# Altium PCB hava_kalitesi_olcumu.PcbDoc (continued)
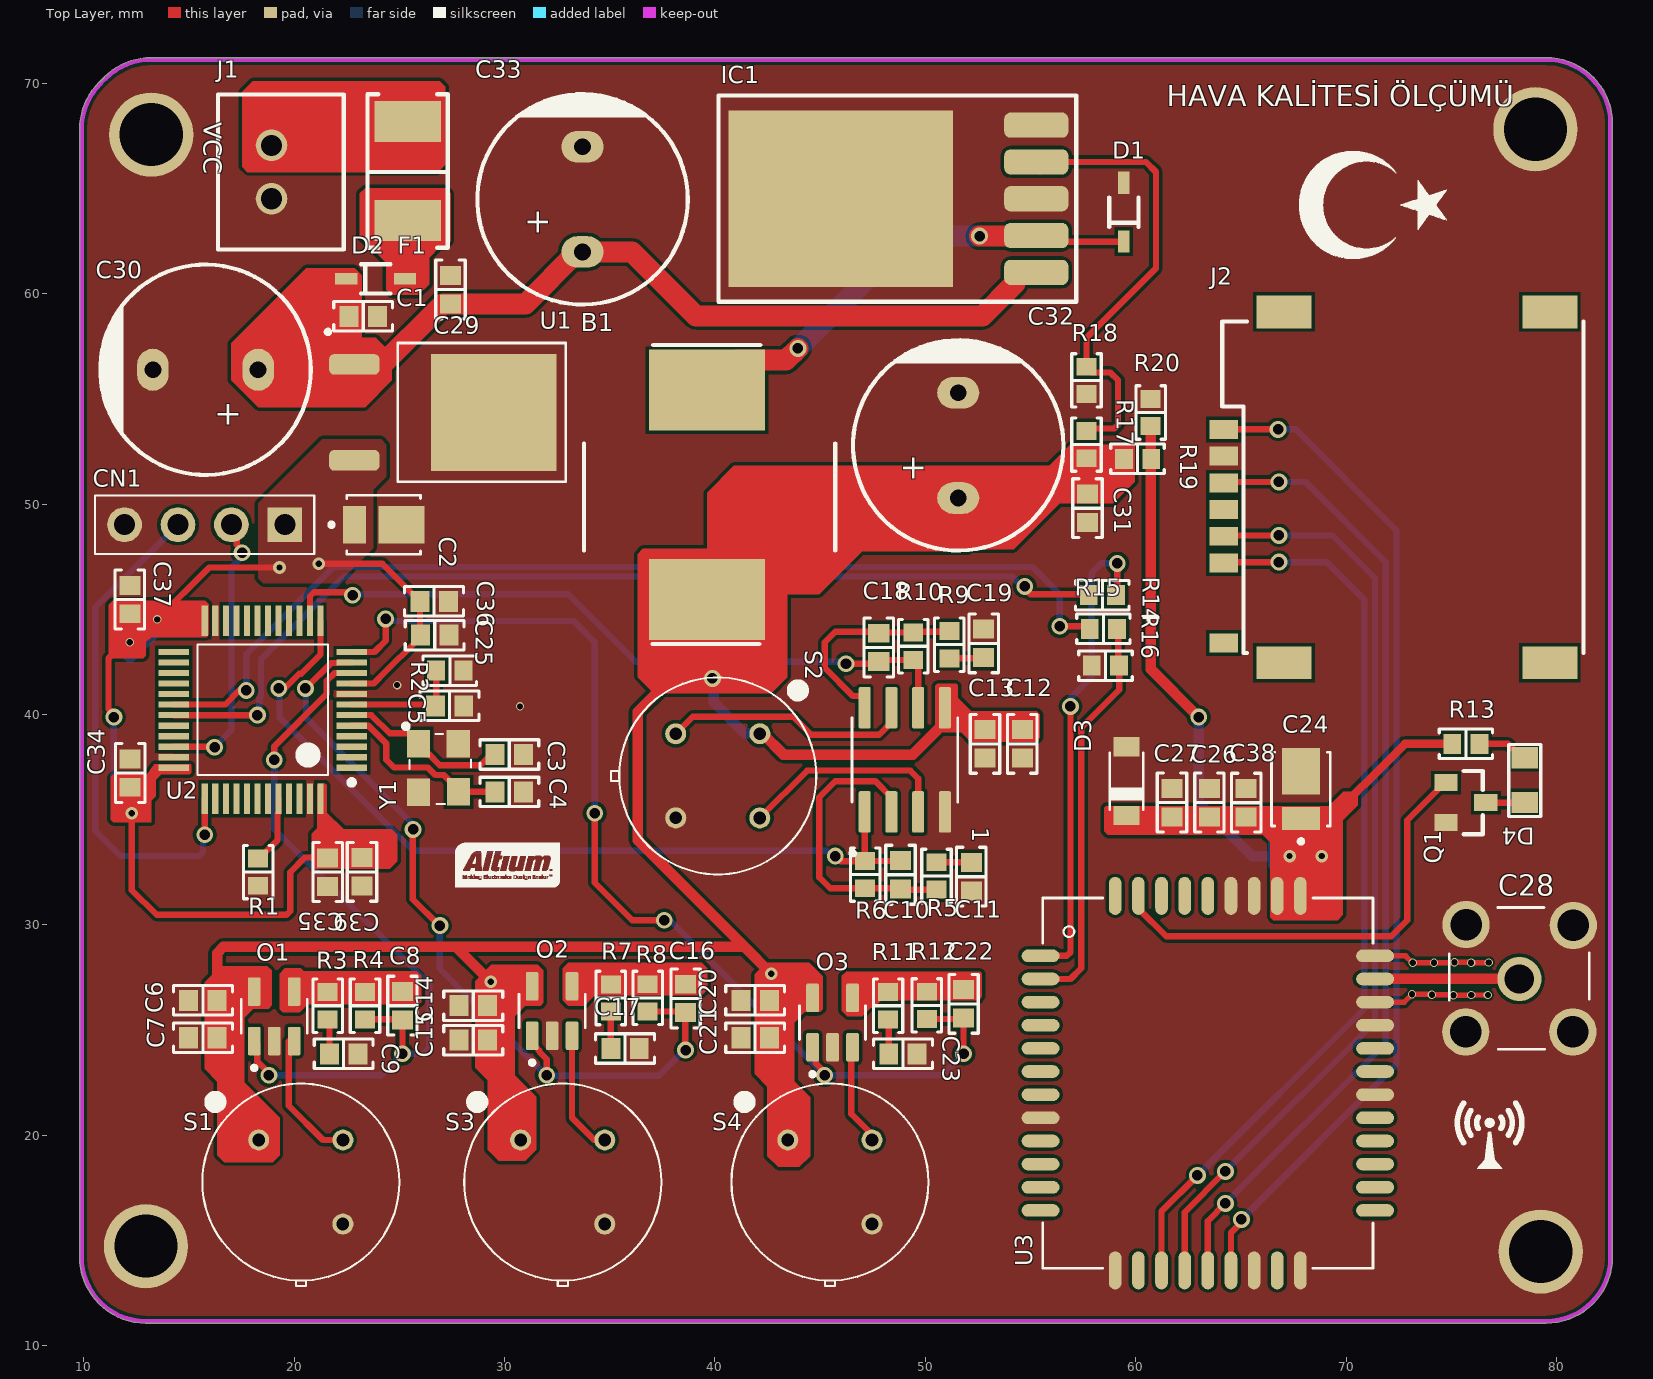
[diagram p0: Top Layer view]
## Part data (continued)
D3: "SOD123", Breakdown Voltage=5.88V, Case/Package=SMB, Forward Voltage=1.5V, Manufacturer="ON Semiconductor", Manufacturer Part Number=1SMB5919BT3G, Max Operating Temperature=150°C, Max Power Dissipation=3W, Max Reverse Current=5uA, Min Operating Temperature=-65°C, Package Quantity=1, Power Dissipation=550mW, Supplier Part Number 1=1SMB5919BT3GOSCT-ND, Test Current=66.9mA, Tolerance=5%, Voltage Rating (DC)=5.6V, Zener Current=267mA, Category="Zener Diodes", ComponentLink2Description=https://datasheet.ciiva.com/1182/1smb5913bt3-d-1182657.pdf?src-supplier=Element14, ComponentLink2URL=https://datasheet.ciiva.com/1182/1smb5913bt3-d-1182657.pdf?src-supplier=Element14, ComponentLink3Description=https://datasheet.ciiva.com/1182/1smb5913bt3-d-1182658.pdf?src-supplier=Element14, ComponentLink3URL=https://datasheet.ciiva.com/1182/1smb5913bt3-d-1182658.pdf?src-supplier=Element14, ComponentLink4Description=https://datasheet.ciiva.com/895/1smb5913bt3-d-895203.pdf?src-supplier=Digi-Key, ComponentLink4URL=https://datasheet.ciiva.com/895/1smb5913bt3-d-895203.pdf?src-supplier=Digi-Key, ComponentLink5Description=https://datasheet.ciiva.com/895/1smb5913bt3-d-895204.pdf?src-supplier=Digi-Key, ComponentLink5URL=https://datasheet.ciiva.com/895/1smb5913bt3-d-895204.pdf?src-supplier=Digi-Key, ComponentLink6Description=https://datasheet.ciiva.com/895/1smb5913bt3-d-895205.pdf?src-supplier=Digi-Key, ComponentLink6URL=https://datasheet.ciiva.com/895/1smb5913bt3-d-895205.pdf?src-supplier=Digi-Key, ComponentLink7Description=https://datasheet.ciiva.com/15198/getdatasheetpartid-311040-15198695.pdf?src-supplier=Verical, ComponentLink7URL=https://datasheet.ciiva.com/15198/getdatasheetpartid-311040-15198695.pdf?src-supplier=Verical, ComponentLink8Description=https://datasheet.ciiva.com/16311/1smb5913bt3-d-16311847.pdf?src-supplier=Future+Electronics, ComponentLink8URL=https://datasheet.ciiva.com/16311/1smb5913bt3-d-16311847.pdf?src-supplier=Future+Electronics, ComponentLink9Description=https://datasheet.ciiva.com/16472/1smb5913bt3-d-16472779.pdf?src-supplier=Avnet+Asia, ComponentLink9URL=https://datasheet.ciiva.com/16472/1smb5913bt3-d-16472779.pdf?src-supplier=Avnet+Asia, Contact Plating=Tin,Matte, Element Configuration=Single, ESD Protection=Yes, Halogen Free="Halogen Free", Height=2.13mm, Lead Free="Lead Free", Length=4.32mm, Material=Plastic, Max Reverse Leakage Current=5uA, Number of Pins=2, Packaging="Tape and Reel", Power Rating=3W, Pricing 1="1=0,45000, 10=0,31900, 100=0,16110, 500=0,14274, 1000=0,11109 (USD)", Radiation Hardening=No, REACH SVHC="No SVHC", RoHS=Yes, Supplier 1=Digi-Key, Voltage Tolerance=5%, Width=3.56mm, Zener Voltage=5.6V, Impedance=2R
D4: Current=20mA, Manufacturer="AVAGO Technologies", Manufacturer Code=HSMG-C170, Voltage=2.2V, Farnell Code=5790852, Unit Price="0,134 €"
F1: library part FUSE, "FUSE BRD MNT 125VAC/VDC", ComponentLink1Description=Direnc.net, ComponentLink1URL=https://www.direnc.net/1a-smd-sigorta, ComponentLink2Description=Motorobit, ComponentLink2URL=https://www.motorobit.com/urun/1a-1808-kilif-smd-sigorta, ComponentLink3Description=Datasheet, ComponentLink3URL=https://www.littelfuse.com/~/media/electronics/datasheets/fuses/littelfuse_fuse_452_454_datasheet.pdf.pdf, ComponentLink4Description=Step, ComponentLink4URL=https://www.3dcontentcentral.com.tr/secure/download-model.aspx?catalogid=171&id=343808, ComponentLink5Description=Özdisan, ComponentLink5URL=https://www.ozdisan.com/devre-koruyucular/sigorta-bilesenleri/sigortalar/0454001-NR
IC1: "Buck Converter"
J1: "2 PIN 2.54MM"
J2: library part SIM7100-6-1-15-00-A, "Memory Card Connectors Micro SIM Card Connector - Push-Push Type, 6 Pin, SMT, 1.50mm Profile", Package=None, Availability=Unavailable, ComponentLink1Description=Özdisan, ComponentLink1URL=https://ozdisan.com/konnektor-ve-baglanti-elemanlari/hafiza-konnektorleri/pc-kart-soketleri/L-KLS1-SIM-064-62P-H1, MF="Global Connector Technology", MP=SIM7100-6-1-15-00-A, Price=None, SnapEDA_Link=https://www.snapeda.com/parts/SIM7100-6-1-15-00-A/Global%20Connector%20Technology/view-part/449163/?ref=snap
O1 O2 O3: "Operational Amplifiers Op Amps SOT23-5 1 Channel 20 MHz", ComponentLink1Description=Mouser, ComponentLink1URL=https://www.mouser.com.tr/ProductDetail/STMicroelectronics/TSV991AILT?qs=NCG0bTVqH4ejiP6AM1B8jw%3D%3D
Q1: "Transistor General Purpose BJT NPN 40 Volt 0.2A Automotive 3-Pin SOT-23", Case/Package=SOT-23, Collector Base Voltage (VCBO)=60V, Collector Emitter Breakdown Voltage=40V, Collector Emitter Saturation Voltage=300mV, Continuous Collector Current=200mA, Emitter Base Voltage (VEBO)=6V, Frequency=300MHz, Manufacturer="Diodes Zetex", Max Operating Temperature=150°C, Max Power Dissipation=300mW, Min Operating Temperature=-55°C, Package Quantity=3000, Power Dissipation=350mW, Supplier Part Number 1=MMBT3904-FDIDKR-ND, Category=BJTs, Collector Emitter Voltage (VCEO)=40V, Collector-emitter Voltage-Max=300mV, ComponentLink1Description=https://datasheet.ciiva.com/11201/ds30036-11201778.pdf?src-supplier=Avnet, ComponentLink1URL=https://datasheet.ciiva.com/11201/ds30036-11201778.pdf?src-supplier=Avnet, ComponentLink2Description=https://datasheet.ciiva.com/15138/getdatasheetpartid-53265-15138780.pdf?src-supplier=Verical, ComponentLink2URL=https://datasheet.ciiva.com/15138/getdatasheetpartid-53265-15138780.pdf?src-supplier=Verical, ComponentLink3Description=https://datasheet.ciiva.com/6361/ds30036-6361254.pdf?src-supplier=Digi-Key, ComponentLink3URL=https://datasheet.ciiva.com/6361/ds30036-6361254.pdf?src-supplier=Digi-Key, ComponentLink4Description=https://datasheet.ciiva.com/22711/1915516-22711750.pdf?src-supplier=Element14, ComponentLink4URL=https://datasheet.ciiva.com/22711/1915516-22711750.pdf?src-supplier=Element14, ComponentLink5Description=https://datasheet.ciiva.com/11198/ds30036-11198999.pdf?src-supplier=Avnet, ComponentLink5URL=https://datasheet.ciiva.com/11198/ds30036-11198999.pdf?src-supplier=Avnet, ComponentLink6Description=https://datasheet.ciiva.com/6361/ds30036-6361256.pdf?src-supplier=Digi-Key, ComponentLink6URL=https://datasheet.ciiva.com/6361/ds30036-6361256.pdf?src-supplier=Digi-Key, Contact Plating=Tin,Matte, Designed by=BERK, Element Configuration=Single, Gain Bandwidth Product=300MHz, Height=1mm, hFE Min=100, Lead Free="Lead Free", Length=3.05mm, Manufacturer Part Number=MMBT3904-7-F, Max Breakdown Voltage=40V, Max Collector Current=200mA, Max Frequency=300MHz, Mount="Surface Mount", Number of Elements=1, Number of Pins=3, Packaging="Tape and Reel", Polarity=NPN, Pricing 1="1=0,12000, 10=0,08600, 25=0,08280, 100=0,04660, 500=0,03664, 1000=0,02544 (USD)", Radiation Hardening=No, REACH SVHC="No SVHC", RoHS=Yes, RoHS Compliant=Yes, Series=-, Stock 1=2393281, Supplier 1=Digi-Key, Transition Frequency=300MHz, Voltage Rating (DC)=40V, Weight=0.000282oz, Width=1.4mm
R1 R2 R3 R4 R5 R6 R7 R8 R9 R10 R11 R12 R13 R14 R15 R16 R17 R18 R19 R20: "SMT RES 1206"
S1 S3 S4: library part "QGC Circle Sensor", "GAS DETECTOR, ANALOG TO-39, GAS"
S2: library part "QGC Dual Sensor", "GAS DETECTOR, ANALOG TO-39, GAS"
U1: library part LD29150, "IC-29150 REG LDO 3V3 1.5A DPAK", ComponentLink1Description=Özdisan, ComponentLink1URL=https://ozdisan.com/entegre-devreler-ics/guc-entegreleri/lineer-voltaj-regulatorleri/LD29150DT33R
U2: "STM32F103C8T6 SMD LQFP-48 32-Bit 72 MHz Mikrodenetleyici", ComponentLink1Description=F1Depo, ComponentLink1URL=https://www.f1depo.com/urun/stm32f103c8t6-smd-lqfp-48-32-bit-72-mhz-mikrodenetleyici, ComponentLink2Description=Datasheet, ComponentLink2URL=https://www.st.com/resource/en/datasheet/stm32f103c8.pdf
U3: "GSM/Bluetooth", Package=None, ComponentLink1Description=Robolink, ComponentLink1URL=https://www.robolinkmarket.com/sim800c-gsm-gprs-modulu, MP=SIM800C, Price=None
Y1: "8MHZ 12.5pF", ComponentLink1Description=Özdisan, ComponentLink1URL=https://ozdisan.com/pasif-komponentler/kristaller-osilatorler-ve-rezanatorler/kristaller/RH100-8-000-12-5-20150-E

## Free pads (board coordinates)
  round 4 hole 3: GND(12.954,14.732) GND(13.208,67.564) GND(78.994,67.818) GND(79.248,14.478)

## Via types
v1: diameter 0.8, hole 0.5, Top Layer to Bottom Layer, 39 vias
v2: diameter 0.4, hole 0.3, Top Layer to Bottom Layer, 14 vias
v3: diameter 0.6, hole 0.3, Top Layer to Bottom Layer, 7 vias

## Nets (pads, with @x,y where several pads share a name; then routed paths per layer and width w, separated by ;. In a path a pad name is that pad's centre, name@x,y a point inside that pad or via, vN(x,y) a via of type N, cw(c..) or ccw(c..) an arc to the next point about the centre after c; other vN are vias at no path point)
+3V3: C2.+ C25.2 C34.2 C35.2 C36.2 C37.2 C39.2 CN1.1 U1.2 U2.9 U2.24 U2.36 U2.48 | length 45.4
  Top Layer w0.3: v1(11.43,39.878) 11.43,40.013 11.176,40.267 11.176,42.672 11.919,43.415 12.173,43.415 v2(12.192,43.434) ; v3(12.286,35.306) 12.286,31.656 13.462,30.48 19.636,30.48 19.812,30.656 19.812,32.512 20.506,33.206 21.571,33.206 C35.2 ; v2(13.486,44.521) 15.955,46.99 v3(19.304,46.99) ; v3(21.164,47.162) 24.194,47.162 C36.2 C25.2@25.977,43.656 ; C35.2@21.512,33.196 21.89,33.574 C39.2@23.668,33.574 ; U2.9 23.782,41.475 24.384,42.077 25.703,43.396 25.703,43.425 25.917,43.638 C25.2@25.995,43.638
  Bottom Layer w0.3: v1(11.43,39.878) 11.43,36.162 v3(12.286,35.306)
+4V2: C24.+ C26.2 C27.2 C38.2 D3.C R13.2 R19.1 R20.2 U3.34 U3.35 | length 35
  Top Layer w0.4: v3(68.834,33.274) 68.834,34.655 72.787,38.608 R13.2
  Top Layer w0.5: R20.2 60.72,53.692 60.72,52.167 60.706,52.152 60.706,42.164 v1(62.992,39.878)
  Bottom Layer w0.5: v1(62.992,39.878) 62.992,35.814 65.532,33.274 v3(67.31,33.274) v3(68.834,33.274)
+5V: 1.5 B1.2 C6.1 C7.2 C12.1 C13.2 C14.1 C15.2 C20.1 C21.2 C31.2 C32.1 O1.5 O2.5 O3.5 R17.2 R19.2 S1.1 S2.1 S3.1 S4.1 | length 63.9
  Top Layer w0.5: C6.1 16.336,28.663 16.629,28.956 27.686,28.956 ; v3(29.337,27.305) 27.686,28.956 ; B1.2 B1.2@39.878,45.212 ; v1(39.878,41.716) 37.906,41.716 36.322,40.132 36.322,34.036 41.402,28.956 ; S2.1 42.268,39.088 43.257,38.1 49.406,38.1 50.927,39.621 1.5 ; v3(42.672,27.686) 41.402,28.956 ; 27.686,28.956 41.402,28.956
  Bottom Layer w0.5: v1(39.878,41.716) 39.935,41.659 39.935,40.583 41.397,39.121 42.101,39.121 S2.1
+12V: C1.2 C29.2 C30.1 C33.1 D2.1 IC1.1 U1.1 | length 41.7
  Top Layer w1: C30.1 22.86,56.388 23.945,56.388 27.08,59.523 C29.2 30.991,59.523 33.454,61.986 36.058,61.986 39.1,58.944 52.705,58.944 54.249,60.488 54.249,60.916 IC1.1@55.348,60.916
CO2_IN+: O3.3 S4.2 | length 4.9
  Top Layer w0.3: O3.3 46.482,24.125 46.482,21.018 S4.2@47.691,19.809
CO2_IN-: C22.1 O3.4 R11.2 R12.1
CO2_OUT: C22.2 O3.1 R12.2 U2.12 | length 51.4
  Top Layer w0.3: U2.12 23.818,42.975 24.348,43.505 v1(24.348,44.543) ; v1(34.29,35.306) 34.29,32.004 36.068,30.226 v1(37.592,30.226) ; O3.1 44.789,24.031 44.789,23.419 45.212,22.995 v1(45.212,22.86) ; R12.2 51.767,25.525 C22.2 v1(51.816,23.876)
  Bottom Layer w0.3: v1@24.384,44.45 33.274,44.45 34.29,43.434 v1(34.29,35.306) ; v1(37.592,30.226) 37.846,30.226 v1(45.212,22.86) 50.8,22.86 v1(51.816,23.876)
CO_IN+: O2.3 S3.2 | length 4.9
  Top Layer w0.3: O2.3@33.208,24.225 33.208,20.827 34.256,19.779
CO_IN-: C16.1 O2.4 R7.2 R8.1
CO_OUT: C16.2 O2.1 R8.2 U2.11 | length 38.8
  Top Layer w0.3: v1(20.538,41.241) 20.554,41.241 21.761,42.449 22.042,42.449 22.068,42.475 U2.11 ; v1(25.654,34.544) 25.643,34.533 25.643,31.216 26.887,29.972 v1(26.924,29.972) ; O2.1 31.308,24.353 31.458,24.203 31.48,24.203 31.656,24.027 31.656,23.972 32.004,23.624 v1(32.004,22.86) ; R8.2 38.554,25.882 C16.2 38.593,25.821 38.593,24.064 v1(38.604,24.054)
  Bottom Layer w0.3: v1(20.538,41.241) 20.563,41.216 20.563,39.852 25.558,34.857 25.558,34.64 v1(25.654,34.544) ; v1(26.924,29.972) 26.913,29.961 26.913,27.914 31.967,22.86 v1(32.004,22.86) 32.03,22.834 37.327,22.834 38.547,24.054 v1(38.604,24.054)
Feedback: IC1.4 R17.1 R18.2 | length 22.1
  Top Layer w0.3: IC1.4 60.48,66.266 60.96,65.786 60.96,61.214 57.658,57.912 R18.2 57.933,56.255 58.79,56.255 59.16,55.885 59.16,53.77 58.984,53.594 57.77,53.594 R17.1 ; IC1.4@55.348,65.912 IC1.4@55.442,65.818
GND: 1.4 C1.1 C2.- C3.2 C4.2 C5.1 C6.2 C7.1 C9.1 C11.1 C12.2 C13.1 C14.2 C15.1 C17.1 C19.1 C20.2 C21.1 C23.1 C24.- C25.1 C26.1 C27.1 C28.G C29.1 C30.2 C31.1 C32.2 C33.2 C34.1 C35.1 C36.1 C37.1 C38.1 C39.1 CN1.4 D1.2 D3.A IC1.3 IC1.5 J1.1 J2.C5 O1.2 O2.2 O3.2 pad.GND Q1.2 R1.1 R2.2 R16.1 R18.1 R20.1 S1.3 S2.4 S3.3 S4.3 U1.3 U2.8 U2.23 U2.35 U2.47 U3.8 U3.13 U3.19 U3.21 U3.27 U3.30 U3.31 U3.33 U3.36 U3.37 Y1.2 Y1.4 | length 11.1
  Top Layer w0.254: U3.31 72.76,26.332 v2(73.128,26.699) 74.055,26.699 v2(74.076,26.679) 75.081,26.679 v2(75.098,26.661) 75.937,26.661 v2(75.946,26.67) v2(76.738,26.67) ; U3.33 72.83,28.532 v2(73.164,28.198) 74.17,28.198 v2(74.175,28.204) 75.13,28.204 v2(75.147,28.221) 75.919,28.221 v2(75.936,28.204) 76.771,28.204 v2(76.782,28.215)
  other v2: 30.734,40.386 24.892,41.402
GSM_ANT: C28.S U3.32 | length 6.9
  Top Layer w0.5: U3.32 C28.S
GSM_RX: R15.1 U2.30 | length 49.4
  Top Layer w0.3: U2.30 16.724,40.475 17.397,41.148 v1(17.72,41.148) ; v1(56.388,44.196) 57.689,44.196 R15.1
  Bottom Layer w0.3: v1(17.72,41.148) 17.72,42.866 21.867,47.013 55.095,47.013 56.388,45.72 v1(56.388,44.196)
GSM_TX: R14.1 U2.31 | length 48.2
  Top Layer w0.3: U2.31 14.285,39.971 v1(18.252,39.971) ; v1(54.725,46.089) 54.745,46.069 54.745,45.974 54.999,45.72 57.716,45.72 R14.1
  Bottom Layer w0.3: v1@18.288,39.878 18.348,39.938 18.348,40.783 18.422,40.857 18.422,42.631 22.352,46.561 54.119,46.561 54.59,46.089 v1(54.725,46.089)
NetB1_1: B1.1 D1.1 IC1.2 | length 23
  Top Layer w0.3: IC1.2 55.562,62.478 D1.1
  Top Layer w1: B1.1 41.049,56.841 43.379,56.841 v1(43.942,57.404) ; v1(52.578,62.738) 55.246,62.738 IC1.2
  Bottom Layer w1: v1(43.942,57.404) 49.276,62.738 v1(52.578,62.738)
NetC9_2: C9.2 R3.1 | length 1.7
  Top Layer w0.3: R3.1 21.677,25.425 C9.2
NetC11_2: C11.2 R5.1 | length 1.7
  Top Layer w0.3: R5.1 52.177,32.978 C11.2
NetC17_2: C17.2 R7.1 | length 1.7
  Top Layer w0.3: C17.2 R7.1
NetC19_2: C19.2 R9.1 | length 1.7
  Top Layer w0.3: R9.1 52.736,42.672 C19.2
NetC23_2: C23.2 R11.1 | length 1.6
  Top Layer w0.3: R11.1 48.26,25.476 C23.2
NetD2_2: D2.2 F1.2
NetD4_1: D4.1 R13.1 | length 2.4
  Top Layer w0.3: R13.1 77.691,38.608 78.351,37.948 D4.1
NetD4_2: D4.2 Q1.3 | length 1.8
  Top Layer w0.3: Q1.3 D4.2
NetF1_1: F1.1 J1.2
NETLIGHT: Q1.1 U3.41 | length 21.6
  Top Layer w0.3: U3.41 60.124,30.782 61.442,29.464 72.136,29.464 72.898,30.226 72.898,34.981 74.347,36.43 74.347,36.514 74.63,36.797 Q1.1@74.714,36.797
NetR1_2: R1.2 U2.44 | length 3.3
  Top Layer w0.3: R1.2 18.338,33.162 19.208,34.032 19.208,35.289 19.256,35.337 U2.44
NetR14_2: R14.2 U3.1 | length 22.9
  Top Layer w0.3: U3.1 56.72,28.532 56.896,28.708 v1(56.896,40.386) ; R14.2 59.123,45.731 v1(59.123,47.185)
  Bottom Layer w0.3: v1(56.896,40.386) 56.896,40.775 57.912,41.791 57.912,46.736 58.361,47.185 v1(59.123,47.185)
NetR15_2: R15.2 R16.2 U3.2 | length 19.1
  Top Layer w0.3: U3.2 56.896,27.432 57.404,27.94 57.404,39.37 59.211,41.177 R16.2 59.162,42.369 59.162,44.023 R15.2
NO2_IN1+: 1.3 S2.2 | length 10.2
  Top Layer w0.3: S2.2 44.383,37.338 49.276,37.338 49.657,36.957 1.3
NO2_IN1-: 1.2 C10.1 R5.2 R6.1 | length 14.4
  Top Layer w0.3: 1.2 48.387,36.071 47.628,36.83 45.72,36.83 44.958,36.068 44.958,32.258 45.472,31.744 R6.1 48.786,31.744 C10.1 48.852,31.678 R5.2
NO2_IN2+: 1.7 S2.3 | length 11.9
  Top Layer w0.3: S2.3 38.939,39.89 43.713,39.89 44.569,39.034 47.8,39.034 48.387,39.621 1.7
NO2_IN2-: 1.8 C18.1 R9.2 R10.1 | length 10.4
  Top Layer w0.3: 1.8 47.117,40.745 46.982,40.88 46.558,40.88 45.212,42.226 45.212,43.434 45.72,43.942 47.708,43.942 C18.1 47.818,43.897 R10.1 49.462,43.935 51.098,43.935 R9.2
NO2_OUT1: 1.1 C10.2 R6.2 U2.13 | length 40.2
  Top Layer w0.3: v1(19.268,41.241) 19.545,41.241 20.247,41.943 20.334,41.943 21.256,42.865 U2.13 ; v1(45.72,33.274) 45.962,33.032 47.124,33.032 R6.2 ; 1.1 47.117,33.062 R6.2 ; C10.2 48.805,33.044 R6.2
  Bottom Layer w0.3: v1@19.304,41.148 19.304,39.878 25.654,33.528 45.331,33.528 45.585,33.274 v1(45.72,33.274)
NO2_OUT2: 1.6 C18.2 R10.2 U2.14 | length 33.8
  Top Layer w0.3: U2.14 20.756,45.637 20.932,45.813 22.5,45.813 22.64,45.674 v1(22.775,45.674) ; v1(46.228,42.418) 47.689,42.418 C18.2 47.868,42.597 R10.2 49.657,42.365 1.6
  Bottom Layer w0.3: v1(22.775,45.674) 22.822,45.72 33.02,45.72 36.226,42.514 46.132,42.514 v1(46.228,42.418)
NRST: C5.2 R2.1 U2.7 | length 5.7
  Top Layer w0.3: U2.7 26.651,40.475 C5.2 26.75,40.457 R2.1
OSC_IN: C4.1 U2.5 Y1.3 | length 8.6
  Top Layer w0.3: U2.5 23.533,39.475 24.383,38.625 24.383,37.847 24.749,37.481 26.362,37.481 26.715,37.129 27.11,37.129 27.815,36.423 Y1.3 29.55,36.323 C4.1
OSC_OUT: C3.1 U2.6 Y1.1 | length 8.3
  Top Layer w0.3: U2.6 23.672,39.975 24.539,39.108 25.508,39.108 25.908,38.708 Y1.1 25.908,38.508 26.308,38.108 26.408,38.108 26.924,37.592 28.839,37.592 29.551,38.304 C3.1@29.551,38.354
SIM_CLK: J2.C3 U3.16 | length 44.7
  Top Layer w0.3: U3.16 62.324,16.35 v1(64.262,18.288) ; J2.C3 64.214,48.514 v1(66.802,48.514)
  Bottom Layer w0.3: v1(64.262,18.288) 71.374,25.4 71.374,46.482 69.342,48.514 v1(66.802,48.514)
SIM_DATA: J2.C7 U3.15 | length 43.3
  Top Layer w0.3: U3.15 61.224,16.384 v1(62.933,18.093) ; J2.C7 64.214,47.244 v1(66.802,47.244)
  Bottom Layer w0.3: v1(62.933,18.093) 70.866,26.026 70.866,45.466 69.088,47.244 v1(66.802,47.244)
SIM_RST: J2.C2 U3.17 | length 46.5
  Top Layer w0.3: U3.17 63.424,15.926 v1(64.262,16.764) ; J2.C2 64.214,51.054 v1(66.802,51.054)
  Bottom Layer w0.3: v1(64.262,16.764) 71.882,24.384 71.882,47.244 68.072,51.054 v1(66.802,51.054)
SIM_VDD: J2.C1 U3.18 | length 48.6
  Top Layer w0.3: J2.C1 v1(66.763,53.555) ; U3.18 64.524,15.367 65.024,15.867 v1(65.024,16.002)
  Bottom Layer w0.3: v1(65.024,16.002) 72.39,23.368 72.39,48.768 67.603,53.555 v1(66.763,53.555)
SO2_IN+: O1.3 S1.2 | length 6.3
  Top Layer w0.3: O1.3@19.746,24.479 19.746,21.402 21.368,19.78 22.317,19.78 S1.2
SO2_IN-: C8.1 O1.4 R3.2 R4.1 | length 0
  Top Layer w0.3: O1.4 O1.4@20.017,26.812
SO2_OUT: C8.2 O1.1 R4.2 U2.10 | length 37.2
  Top Layer w0.3: O1.1 18.25,24.329 18.25,23.516 18.796,22.97 v1(18.796,22.86) ; v1(19.05,37.846) 19.05,38.483 21.554,40.987 21.554,41.6 21.929,41.975 U2.10 ; R4.2 25.121,25.512 C8.2 v1(25.146,23.876) v1@25.234,23.964
  Bottom Layer w0.3: v1@18.542,22.86 24.13,22.86 v1(25.146,23.876) 26.162,23.876 26.416,24.13 26.416,27.178 19.05,34.544 19.05,38.354
SWCLK: CN1.3 U2.37 | length 24.4
  Top Layer w0.3: v1(15.748,34.29) 15.748,35.992 U2.37
  Bottom Layer w0.3: CN1.3 10.552,45.096 10.552,34.48 11.758,33.274 15.494,33.274 15.67,33.45 15.67,34.212 v1(15.748,34.29)
SWDIO: CN1.2 U2.34 | length 13.2
  Top Layer w0.3: U2.34 16.192,38.475 v1(16.22,38.447) ; CN1.2 17.276,48.764 17.276,48.077 17.526,47.827 v1(17.526,47.692)
  Bottom Layer w0.3: v1@16.256,38.489 17.018,39.251 17.018,46.99 17.526,47.498 v1(17.526,47.692)
pads on no net: J2.1 J2.2 J2.3 J2.4 J2.C6 J2.CD U2.1 U2.2 U2.3 U2.4 U2.15 U2.16 U2.17 U2.18 U2.19 U2.20 U2.21 U2.22 U2.25 U2.26 U2.27 U2.28 U2.29 U2.32 U2.33 U2.38 U2.39 U2.40 U2.41 U2.42 U2.43 U2.45 U2.46 U3.3 U3.4 U3.5 U3.6 U3.7 U3.9 U3.10 U3.11 U3.12 U3.14 U3.20 U3.22 U3.23 U3.24 U3.25 U3.26 U3.28 U3.29 U3.38 U3.39 U3.40 U3.42

## Polygon pours and split planes (outlines as drawn)
GND on Top Layer "GND_L01_P016" (solid, pour order 16): 14.224,70.866 12.863,70.851 12.215,70.687 11.527,70.333 10.669,69.541 10.086,68.643 9.869,67.779 9.914,66.401 9.911,14.296 9.975,13.36 10.166,12.743 10.39,12.297 10.709,11.861 11.315,11.403 11.966,11.043 13.428,10.881 15.14,10.947 79.787,10.918 80.873,11.241 81.451,11.581 81.899,12.119 82.302,12.698 82.528,13.605 82.563,14.478 82.568,15.039 82.565,68.197 82.302,69.088 81.937,69.691 81.655,70.049 81.177,70.395 80.505,70.715 79.788,70.898 78.393,70.885 14.218,70.862
+3V3 on Top Layer "+3V3_L01_P000" (solid, pour order 0): 21.336,53.086 18.288,50.038 18.288,46.478 18.522,46.243 22.113,46.243 22.606,46.736 23.032,47.162 23.768,47.898 23.768,50.692 24.384,51.308 24.384,52.832 24.13,53.086
GND on Bottom Layer "GND_L02_P015" (solid, pour order 15): 14.224,71.12 12.863,71.105 12.215,70.941 11.527,70.587 10.669,69.795 10.086,68.897 9.869,68.033 9.914,66.655 9.911,14.55 9.975,13.614 10.166,12.997 10.39,12.551 10.709,12.115 11.315,11.657 11.966,11.297 13.428,11.135 15.14,11.201 79.787,11.172 80.873,11.495 81.451,11.835 81.899,12.373 82.302,12.952 82.528,13.859 82.563,14.732 82.568,15.293 82.565,68.451 82.302,69.342 81.937,69.945 81.655,70.303 81.177,70.649 80.505,70.969 79.788,71.152 78.393,71.139 14.218,71.116

## Keep-outs
Keep-Out Layer:
  lines w0.2: 10.804,12.056 ccw(c12.928,14.18) 12.928,11.176 13.462,11.176 ; 10.804,12.056 cw(c12.972,14.224) 9.906,14.224 9.906,14.986 9.906,66.802 9.906,67.818 cw(c12.972,67.818) 10.804,69.986 11.04,70.222 cw(c13.208,68.054) 13.208,71.12 14.224,71.12 78.994,71.12 79.502,71.12 cw(c79.502,68.054) 81.67,70.222 ; 10.804,12.056 10.804,12.056 ; 13.462,11.176 13.462,11.176 ; 13.462,11.176 79.502,11.176 ccw(c79.502,14.242) 81.67,12.074 ; 81.67,12.074 ccw(c79.546,14.198) 82.55,14.198 82.55,15.494 82.55,67.818 82.55,68.098 ccw(c79.546,68.098) 81.67,70.222 ; 81.67,12.074 81.67,12.074 ; 81.67,70.222 81.67,70.222

## Other copper
Top Layer:
  region net +4V2: 68.961,35.433 69.85,36.322 70.358,36.322 70.549,36.131 70.549,35.695 69.624,34.77
  region net +4V2: 69.263,35.623
  region net NetF1_1: 18.034,70.104 17.526,69.596 17.526,66.04 17.78,65.786 26.831,65.786 27.178,66.133 27.178,69.85 26.924,70.104
  region net +5V: 51.308,51.816 40.894,51.816 39.624,50.546 39.624,46.99 40.894,45.72 44.958,45.72 46.99,47.752 52.07,47.752 53.34,49.022 53.34,51.308 52.832,51.816
  region net +5V: 36.576,47.879 36.322,47.625 36.322,41.783 37.084,41.021 38.862,41.021 42.672,41.021 43.434,41.783 43.434,47.371 42.926,47.879
  region net +3V3: 11.37,45.406 11.176,45.212 11.176,42.837 11.341,42.672 12.837,42.672 12.954,42.789 12.954,43.434 13.205,43.685 15.839,43.685 15.948,43.794 15.948,45.239 15.781,45.406
  region net +3V3: 21.363,36.718 21.153,36.716 21.105,36.669 21.105,34.603 20.828,34.326 20.828,32.766 20.925,32.669 20.935,32.678 24.55,32.678 24.892,33.02 24.892,34.29 24.638,34.544 22.352,34.544 21.556,35.34 21.556,36.652 21.489,36.718
  region net +4V2: 58.591,35.674 58.498,35.581 58.498,34.461 58.668,34.292 66.034,34.292 66.403,33.922 66.403,30.366 66.542,30.228 69.59,30.228 69.844,30.481 69.844,35.322 69.49,35.675 63.918,35.645
  region net +5V: 18.987,18.733 19.304,19.05 19.304,20.828 17.619,22.513 17.619,25.591 18.054,26.026 18.781,26.026 18.929,26.175 18.929,27.837 18.721,28.045 16.517,28.045 15.741,27.27 15.741,23.154 16.349,22.547 16.349,19.06 16.675,18.733
  region net +5V: 44.012,18.5 44.52,19.008 44.52,21.802 43.758,22.564 43.758,25.358 44.266,25.866 44.993,25.866 45.122,25.995 45.122,27.552 44.48,28.194 42.418,28.194 41.881,27.657 41.881,22.922 42.488,22.315 42.488,19.008 42.996,18.5
  region net +5V: 30.988,18.796 31.496,19.304 31.496,21.844 30.48,22.86 30.48,25.654 30.988,26.162 31.715,26.162 31.844,26.291 31.844,27.847 31.583,28.108 29.378,28.108 28.603,27.333 28.603,23.217 29.21,22.61 29.21,19.304 29.718,18.796
  region net +5V: 59.944,51.054 59.944,52.832 56.896,52.832 55.88,51.816 51.308,51.816 50.292,50.8 50.292,49.53 51.965,47.857 54.207,47.857 56.388,50.038 58.928,50.038
  region: 67.472,30.784
  region net +5V: 50.951,41.458 50.571,41.458 50.476,41.363 50.476,39.512 50.84,39.147 51.715,39.147 52.15,38.712 55.256,38.712 55.437,38.893 55.437,40.022 55.302,40.156 52.173,40.156 51.533,40.796 51.533,41.384 51.458,41.459 51.456,41.457 50.951,41.457
  region net CO2_IN-: 46.482,25.654 46.99,25.654 47.401,26.065 47.401,26.074 47.558,26.074 47.9,26.416 52.578,26.416 52.578,26.47 52.689,26.582 52.689,27.703 52.609,27.783 46.24,27.783 46.033,27.576 46.033,25.923 46.298,25.658 46.475,25.658
  region net +12V: 17.018,57.404 17.018,55.88 18.288,54.61 23.368,54.61 24.638,55.88 24.638,57.15 23.876,57.912 23.202,57.912 23.202,60.883 22.871,61.214 20.574,61.214 17.018,57.658
  region net CO_IN-: 33.02,28.194 32.766,27.94 32.766,26.416 33.02,26.162 33.782,26.162 34.29,26.67 39.37,26.67 39.624,26.924 39.624,27.94 39.37,28.194
  region net SO2_IN-: 19.558,27.94 19.304,27.686 19.304,25.993 19.447,25.851 20.263,25.851 20.638,26.226 25.932,26.226 26.037,26.331 26.037,27.578 25.821,27.795 20.465,27.795 20.32,27.94
  region net +3V3: 13.205,34.88 13.205,35.896 13.424,36.116 13.424,36.902 13.689,37.166 14.221,37.166 15.033,37.166 15.107,37.24 15.107,37.608 15.074,37.641 13.489,37.641 13.36,37.641 13.014,37.166 11.411,37.166 11.279,37.034 11.279,35.004 11.403,34.88
  region net NetD2_2: 23.368,65.024 23.114,64.77 23.114,62.738 24.384,61.468 24.384,60.198 24.638,59.944 25.908,59.944 26.416,60.452 26.416,61.722 26.924,62.23 27.178,62.23 27.432,62.484 27.432,64.77 27.178,65.024
Bottom Layer:
  region net +4V2: 66.548,34.29 66.294,34.036 66.294,32.766 66.548,32.512 69.088,32.512 69.342,32.766 69.342,34.036 69.088,34.29
  region net +3V3: 13.654,45.472 14.399,44.727 14.399,44.546 12.309,42.455 12.098,42.455 11.367,43.187 11.367,43.422 13.416,45.472
  region net +3V3: 13.716,46.736

## Silkscreen, mask and mechanical layers (free items; w line width, h text height)
Top Overlay:
  drawing of 21 lines, arcs and shapes, not listed
  text "HAVA KALİTESİ ÖLÇÜMÜ" at 61.468,68.574 h1.7
  text "VCC" at 15.414,68.161 h1.5 r270

## Text inside footprints (layer, text, board x,y; h text height)
C30: Top Overlay "+" at 17.538,55.138 h2 r180
C32: Top Overlay "+" at 50.312,51.042 h2 r90
C33: Top Overlay "+" at 32.454,62.736 h2 r90